# Allegro board FMDEMOD-Long.brd (continued)
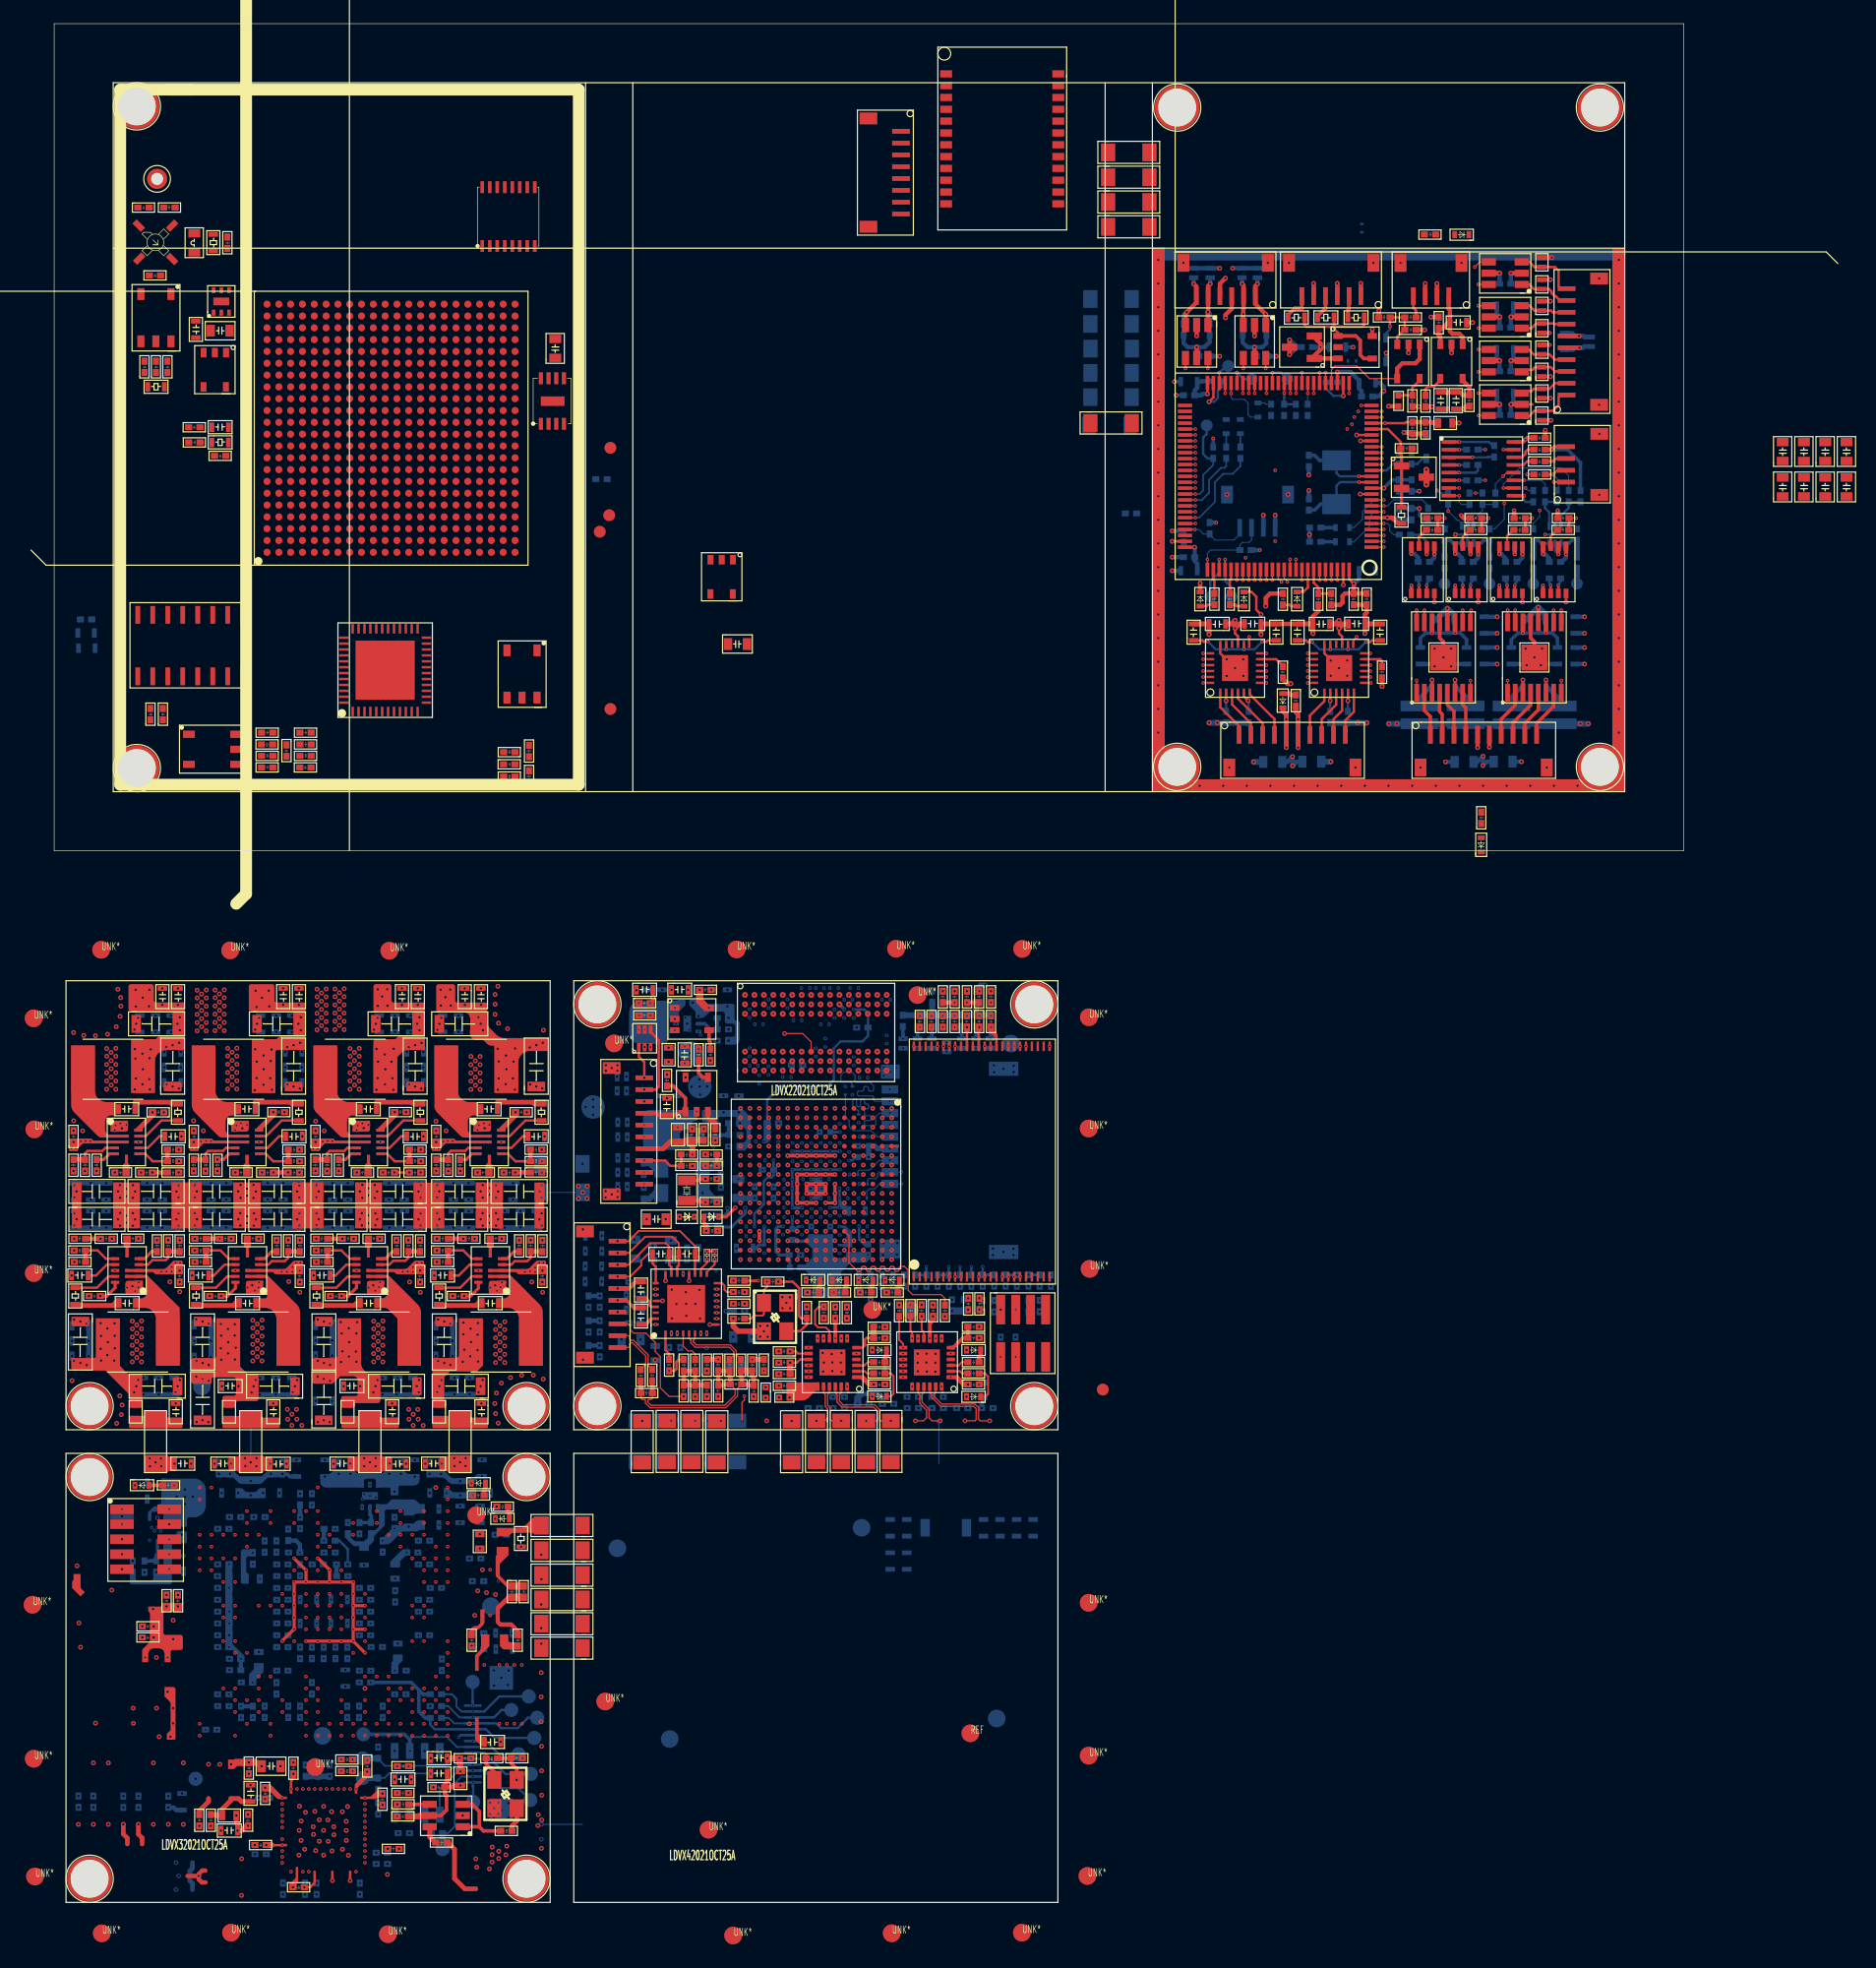
[diagram p0: board, top side]
## Routing (per net, layer and track width the routed paths; a pad name or vN(x,y) marks a point on that pad's centre or on a via; arc(x,y) is an arc through that point) (continued)
BOOT0: length 3.3
  TOP w0.2: U19.94 106.66,22.68 107.05,22.3 R343.2 R344.2
BOOT1: length 2.8
  TOP w0.1: U19.37 v1(104.17,38.73)
  BOTTOM w0.2: v1(104.17,38.73) 104.17,38.36 104.15,38.34 R134.1 R135.1
BOOT_MODE0: length 6.6
  SIGNAL-L7 w0.1: v21(54.91,-26.91) 55.45,-26.91 55.69,-27.15 56.74,-27.15 56.96,-27.36 57.28,-27.36 v18(58.92,-29)
  BOTTOM w0.5: R226.2 55.96,-26.44 55.49,-26.91 v21(54.91,-26.91)
BOOT_MODE1: length 7.8
  SIGNAL-L7 w0.1: v18(58.12,-29) 56.64,-27.52 55.62,-27.52 55.42,-27.32 54.78,-27.32 54.35,-27.75 54.35,-28.42 v21(54.91,-28.97)
  BOTTOM w0.5: R232.2 55.88,-29.45 55.4,-28.97 v21(54.91,-28.97)
CAS: length 17
  SIGNAL-L8 w0.1: v15(65.7,-17) 65.7,-16.54 66.19,-16.05 69.37,-16.05 70.05,-16.72 70.05,-19.91 68.78,-21.18 68.78,-23.07 68.29,-23.56 67.37,-23.56 67.09,-23.28 65.2,-23.28 v15(64.52,-22.6)
CK0N: length 30
  SIGNAL-L7 w0.1: v18(65.7,-13.8) 65.42,-14.08 65.42,-14.44 65.62,-14.64 v19(65.62,-14.69) 65.37,-14.94 65.37,-16.02 64.98,-16.41 64.98,-17.13 65.21,-17.36 65.21,-17.74 64.76,-18.19 64.19,-18.19 63.74,-17.74 63.74,-17.06 64.18,-16.61 64.18,-14.88 64.02,-14.72 63.88,-14.72 63.78,-14.82 63.78,-16.37 63.59,-16.56 63.12,-16.56 62.91,-16.36 62.91,-14.9 62.81,-14.8 62.6,-14.8 62.55,-14.85 62.55,-16.12 62.32,-16.34 61.81,-16.34 61.17,-15.69 61.17,-15.04 60.95,-14.82 60.81,-14.82 60.33,-15.3 60.33,-16.1 60.54,-16.31 61.11,-16.31 61.96,-17.15 61.96,-18.99 61.63,-19.31 61.43,-19.31 61.22,-19.52 60.84,-19.52 60.69,-19.67 60.69,-20.04 60.37,-20.36 59.93,-20.36 59.83,-20.46 59.83,-20.66 59.93,-20.76 60.68,-20.76 60.9,-20.98 60.9,-21.9 60.77,-22.03 60.76,-22.03 60.52,-22.27 v18(60.52,-22.6)
CK0P: length 29
  SIGNAL-L7 w0.1: v18(60.52,-21.8) 60.52,-21.64 60.69,-21.47 60.69,-21.07 60.59,-20.97 59.85,-20.97 59.62,-20.75 59.62,-20.37 59.85,-20.15 60.28,-20.15 60.48,-19.95 60.48,-19.58 60.75,-19.31 61.13,-19.31 61.27,-19.17 61.34,-19.1 61.51,-19.1 61.75,-18.86 61.75,-17.24 61.03,-16.52 60.45,-16.52 60.12,-16.18 60.12,-15.22 60.72,-14.61 61.04,-14.61 61.38,-14.95 61.38,-15.61 61.9,-16.13 62.24,-16.13 62.34,-16.03 62.34,-14.77 62.51,-14.59 62.89,-14.59 63.12,-14.82 63.12,-16.22 63.22,-16.33 63.48,-16.33 63.57,-16.24 63.57,-14.73 63.79,-14.51 64.11,-14.51 64.39,-14.79 64.39,-16.7 63.95,-17.14 63.95,-17.65 64.27,-17.98 64.67,-17.98 65,-17.65 65,-17.44 64.77,-17.21 64.77,-16.33 65.16,-15.94 65.16,-15.25 64.92,-15.01 v19(64.92,-14.69) 65.18,-14.43 65.18,-14.08 v18(64.9,-13.8)
CKE0: length 15.3
  SIGNAL-L8 w0.1: v15(62.12,-23.4) 61.09,-23.4 60.64,-22.96 60.64,-20.29 61.93,-19 61.93,-17.17 63.84,-15.26 63.84,-13.99 64.24,-13.59 64.65,-13.59 65.7,-12.54 v15(65.7,-12.2) 65.7,-11.63 v9(65.7,-11.63)
CKE1: length 19.4
  SIGNAL-L8 w0.1: v15(64.52,-23.4) 64.25,-23.67 63.55,-23.67 63.15,-24.07 60.85,-24.07 60.11,-23.33 60.11,-19.84 61.41,-18.55 61.41,-16.75 62.77,-15.39 62.77,-13.73 63.45,-13.05 64.45,-13.05 64.9,-12.59 v15(64.9,-12.2) 65.19,-11.91 v9(65.19,-11.63)
CLK2FPGA: length 15.1
  SIGNAL-L8 w0.1: v15(18.32,-74.89) 18.01,-75.2 18.01,-76.19 19.42,-77.6 27.24,-77.6 29.06,-79.42 v13(29.06,-80.7)
CLK_3V3: length 16.5
  TOP w0.3: R166.2 C193.2 38.7,-77.23 39.17,-77.7 v5(39.17,-78.63) ; C206.2 33.07,-79.78 33.22,-79.93 33.22,-81.19 32.76,-81.65 U32.5
  TOP w0.36: C204.2 33.3,-78.11 33.3,-78.8 33.07,-79.03 C206.2 33.64,-79.25 33.79,-79.1 v5(34.4,-79.1)
  TOP w0.5: C210.2 30.96,-81.72 31.02,-81.65 U32.5
  PWR-L6 w0.38: v5(39.17,-78.63) 38.3,-79.5 34.8,-79.5 v5(34.4,-79.1)
CLK_AD+: length 8.3
  SIGNAL-L4 w0.1: v17(25.27,-76.91) 25.27,-77 25.52,-77.25 26.91,-77.25 27.2,-77.54 27.75,-77.54 28.03,-77.26 28.03,-76.62 27.74,-76.33 26.92,-76.33 26.48,-75.89 26.48,-74.65 26.85,-74.28 27.22,-74.28 27.32,-74.18 v17(27.32,-73.89)
CLK_AD-: length 8.3
  SIGNAL-L4 w0.1: v17(25.27,-77.89) 25.27,-77.77 25.57,-77.46 26.82,-77.46 27.11,-77.75 27.84,-77.75 28.24,-77.35 28.24,-76.53 27.83,-76.12 27.01,-76.12 26.69,-75.8 26.69,-74.74 26.93,-74.49 27.22,-74.49 27.32,-74.59 v17(27.32,-74.89)
CLKO+: length 7.9
  SIGNAL-L4 w0.1: v17(24.31,-76.91) 24.31,-76.97 23.99,-77.29 21.02,-77.29 20.79,-77.52 20.79,-78.25 21.01,-78.48 23.06,-78.48 23.21,-78.62 23.21,-78.97 23.06,-79.11 v17(23.06,-79.4)
CLKO-: length 7.6
  SIGNAL-L4 w0.1: v17(23.56,-79.4) 23.56,-79.11 23.41,-78.97 23.41,-78.53 23.15,-78.27 21.1,-78.27 21,-78.17 21,-77.61 21.11,-77.5 23.99,-77.5 24.31,-77.82 v17(24.31,-77.89)
CONF_DONE: length 40
  SIGNAL-L8 w0.1: v9(35.45,-78.34) 36.09,-78.34 37.69,-76.75 37.69,-70.57 35.12,-68.01 31.09,-68.01 30,-66.91 30,-61.41 28.35,-59.75 26.76,-59.75 24.9,-57.89 v15(23.32,-57.89)
  BOTTOM w0.15: v9(35.45,-78.34) 34.49,-78.34 33.92,-78.92 33.92,-82.58 33.37,-83.14 R375.1
  BOTTOM w0.5: TP26.1 R375.1
CPU_RST_FPGA: length 14.9
  TOP w0.1: 58.25,-48.24 58.25,-46.68 58.44,-46.49 v15(58.44,-46.16)
  SIGNAL-L8 w0.1: v15(58.44,-46.16) 58.44,-44.83 59.09,-44.19 59.09,-39.33 61.32,-37.1 v15(61.32,-34.6)
CPU_RST_MCU: length 33.8
  SIGNAL-L4 w0.1: v16(68.83,-48.27) 68.09,-47.53 68.09,-46.31 67.1,-45.31 64.2,-45.31 62.27,-43.39 62.27,-42.41 61.61,-41.74 59.33,-41.74 58.77,-41.18 56.67,-41.18 56.01,-40.53 56.01,-40.02 55.38,-39.38 55.38,-36.69 56.05,-36.02 v20(56.05,-35.57)
  SIGNAL-L8 w0.1: v15(62.12,-33) 61.6,-32.48 59.94,-32.48 59.68,-32.22 56.38,-32.22 54.93,-33.66 54.93,-35.33 55.17,-35.57 v20(56.05,-35.57)
CPU_UART1_RXD: length 37.5
  SIGNAL-L8 w0.1: v15(49.51,-15.13) 49.51,-20.3 49.08,-20.72 49.08,-21.58 49.33,-21.83 49.33,-33.28 49.88,-33.84 49.88,-35.11 50.31,-35.54 51.9,-35.54 53.23,-36.87 54.09,-36.87 54.34,-36.62 55.76,-36.62 56.3,-37.16 58.45,-37.16 59.02,-36.59 59.02,-35.27 60.26,-34.03 63.49,-34.03 v15(63.72,-33.8)
CPU_UART1_TXD: length 27.8
  SIGNAL-L8 w0.1: v15(63.72,-32.2) 64.34,-32.2 64.52,-32.02 64.52,-30.61 63.24,-29.33 62.06,-29.33 61.09,-28.37 58.14,-28.37 57.47,-27.69 57.47,-25.92 57.87,-25.52 57.87,-24.19 57.34,-23.65 57.34,-21 56.95,-20.6 56.95,-18.06 56.14,-17.26 52.03,-17.26 51.38,-16.61 v15(50.51,-16.61)
CPU_UART3_RXD: length 23
  SIGNAL-L8 w0.1: v15(65.32,-33.8) 67.09,-35.57 67.09,-38.3 65.39,-40 64.33,-40 62.72,-41.61 62.72,-46.64 61.64,-47.72 56.98,-47.72 v13(56.45,-48.26)
CPU_UART3_TXD: length 22.3
  SIGNAL-L8 w0.1: v15(65.32,-34.6) 66.53,-35.81 66.53,-37.94 65.08,-39.39 64.05,-39.39 62.36,-41.08 62.36,-46.24 61.16,-47.44 56.21,-47.44 v8(55.39,-48.27)
CPU_UART4_RXD: length 26.6
  SIGNAL-L7 w0.1: v18(66.12,-33.8) 66.12,-33.09 65.72,-32.69 65.25,-32.69 64.91,-32.35 64.91,-31.87 64.53,-31.49 64.53,-30.8 64.31,-30.59 63.69,-30.59 61.6,-32.68 61.6,-34.18 61.87,-34.45 61.87,-35.12 62.5,-35.75 62.5,-45.78 61.06,-47.23 59.28,-47.23 v21(58.26,-48.26)
CPU_UART4_TXD: length 35.9
  SIGNAL-L7 w0.1: v21(49.8,-48.26) 49.8,-47.88 54.7,-42.98 57.18,-42.98 58.17,-41.99 58.17,-33.93 58.66,-33.43 59.3,-33.43 59.73,-33 59.73,-31.3 61.73,-29.3 63.52,-29.3 63.8,-29.02 65.28,-29.02 66.13,-29.86 66.13,-30.38 66.85,-31.1 66.85,-33.87 v18(66.12,-34.6)
CS0: length 26.6
  SIGNAL-L8 w0.1: v15(61.32,-22.6) 61.32,-20.98 62.94,-19.36 62.94,-17.09 64.38,-15.64 64.38,-14.44 64.79,-14.03 70.64,-14.03 70.88,-14.27 70.88,-15.31 70.66,-15.53 65.4,-15.53 64.67,-16.27 64.67,-16.8 65.3,-17.43 66.13,-17.43 v15(66.5,-17.8)
CS1: length 26.1
  SIGNAL-L7 w0.1: v18(65.32,-25) 66.54,-25 66.64,-24.9 66.64,-24.68 66.54,-24.58 65.75,-24.58 65.65,-24.48 65.65,-24.09 65.96,-23.78 65.96,-23.51 65.86,-23.41 65.64,-23.41 65.54,-23.31 65.54,-23.16 65.72,-22.99 66.15,-22.99 66.26,-23.1 66.26,-23.14 66.49,-23.37 66.62,-23.37 66.71,-23.28 66.71,-22.88 66.48,-22.65 65.57,-22.65 65.36,-22.86 65.04,-22.86 64.94,-22.76 64.94,-22.62 65.4,-22.16 65.4,-22.06 65.3,-21.96 64.99,-21.96 64.89,-21.86 64.89,-21.76 65.04,-21.61 65.27,-21.61 65.37,-21.51 65.37,-21.37 65.27,-21.27 64.03,-21.27 63.93,-21.17 63.93,-21.03 64.03,-20.93 64.17,-20.93 64.22,-20.98 65.43,-20.98 65.57,-20.83 65.57,-20.52 65.06,-20.01 65.06,-19.78 65.24,-19.61 65.38,-19.61 65.62,-19.85 65.62,-20.1 66.16,-20.63 66.37,-20.63 66.5,-20.5 66.5,-20.36 65.94,-19.79 65.94,-19.58 66.01,-19.51 66.15,-19.51 66.45,-19.8 66.68,-19.8 66.87,-19.61 67.03,-19.61 67.13,-19.51 67.13,-19.5 67.21,-19.42 67.21,-19.28 67.13,-19.21 66.83,-19.21 66.68,-19.36 66.5,-19.36 66.24,-19.1 65.78,-19.1 65.71,-19.03 65.71,-18.89 65.82,-18.79 65.95,-18.79 66.05,-18.69 66.05,-18.45 65.82,-18.22 65.82,-17.97 65.92,-17.87 66.07,-17.87 66.17,-17.97 66.17,-18.09 66.32,-18.23 66.68,-18.23 67.16,-18.71 67.16,-18.85 67.09,-18.92 66.82,-18.92 v18(66.5,-18.6)
D0: length 25.4
  SIGNAL-L3 w0.1: v10(61.7,-17) 61.7,-17.76 61.6,-17.86 61.41,-17.86 61.31,-17.76 61.31,-16.86 60.92,-16.47 60.92,-16.33 61.08,-16.17 61.08,-16.03 60.94,-15.89 60.8,-15.89 60.63,-16.05 60.49,-16.05 60.35,-15.91 60.35,-15.77 60.51,-15.6 60.51,-15.46 60.35,-15.3 60.03,-15.3 59.93,-15.2 59.93,-14.42 59.83,-14.32 59.63,-14.32 59.53,-14.42 59.53,-15.2 59.43,-15.3 59.23,-15.3 59.13,-15.2 59.13,-14.42 59.03,-14.32 58.83,-14.32 58.73,-14.42 58.73,-15.2 58.63,-15.3 57.98,-15.3 56.69,-16.59 56.69,-18.46 56.61,-18.54 56.45,-18.54 56.36,-18.63 56.36,-18.86 56.45,-18.94 56.61,-18.94 56.69,-19.03 56.69,-19.26 56.61,-19.34 56.45,-19.34 56.36,-19.43 56.36,-19.66 56.45,-19.74 56.61,-19.74 56.69,-19.83 56.69,-20.06 56.61,-20.14 56.45,-20.14 56.36,-20.23 56.36,-20.46 56.45,-20.54 56.61,-20.54 56.69,-20.63 56.69,-20.86 56.61,-20.94 56.45,-20.94 56.36,-21.03 56.36,-21.26 56.45,-21.34 56.61,-21.34 56.69,-21.43 56.69,-21.66 56.61,-21.74 56.45,-21.74 56.36,-21.83 56.36,-22.06 56.45,-22.14 56.61,-22.14 56.69,-22.23 56.69,-22.46 56.53,-22.63 56.53,-23.65 56.69,-23.81 56.83,-23.81 56.95,-23.69 57.09,-23.69 57.23,-23.83 57.23,-23.97 57.11,-24.09 57.11,-24.23 57.48,-24.6 58.52,-24.6 v10(58.92,-24.2)
D1: length 22.9
  SIGNAL-L7 w0.1: v18(62.5,-13.8) 62.75,-13.8 62.94,-13.61 62.94,-13.47 62.84,-13.36 62.08,-13.36 61.97,-13.48 61.97,-13.64 61.87,-13.74 61.7,-13.74 61.6,-13.64 61.6,-12.72 61.12,-12.23 57.15,-12.23 56.37,-13.02 56.37,-21.63 56.24,-21.76 56.24,-22.92 56.82,-23.49 56.82,-25 57.62,-25.8 v18(58.12,-25.8)
D2: length 25.2
  SIGNAL-L4 w0.1: v17(58.92,-25.8) 59.25,-25.8 59.71,-26.26 59.71,-26.78 59.91,-26.99 60.69,-26.99 60.96,-26.72 60.96,-21.45 60.49,-20.98 60.49,-20.73 60.59,-20.63 61.74,-20.63 61.84,-20.53 61.84,-20.33 61.74,-20.23 60.59,-20.23 60.49,-20.13 60.49,-19.68 60.59,-19.58 62.48,-19.58 62.61,-19.45 62.61,-19.13 62.51,-19.03 61.99,-19.03 61.89,-18.93 61.89,-18.11 61.79,-18.01 61.44,-18.01 61.34,-18.11 61.34,-18.93 61.24,-19.03 60.59,-19.03 60.49,-18.93 60.49,-16.26 60.64,-16.11 61.69,-16.11 61.85,-16.28 61.85,-17.16 v17(62.5,-17.8)
D3: length 23.2
  SIGNAL-L7 w0.1: v18(62.5,-13) 62.73,-12.77 62.73,-12.32 62.34,-11.93 56.94,-11.93 56.02,-12.84 56.02,-21.46 55.79,-21.69 55.79,-23.08 56.32,-23.61 56.32,-25.32 57.59,-26.6 v18(58.12,-26.6)
D4: length 23.2
  TOP w0.1: U2.H3 64.1,-16.18 63.39,-15.47 v13(61.85,-15.47)
  SIGNAL-L8 w0.1: v15(58.12,-27.4) 58.55,-26.97 58.55,-22.06 58.65,-21.96 59.51,-21.96 59.61,-21.86 59.61,-21.66 59.51,-21.56 58.65,-21.56 58.55,-21.46 58.55,-21.26 58.65,-21.16 59.51,-21.16 59.61,-21.06 59.61,-20.86 59.51,-20.76 58.65,-20.76 58.55,-20.66 58.55,-19.86 57.68,-19 57.68,-16.51 58.72,-15.47 v13(61.85,-15.47)
D5: length 24.3
  SIGNAL-L4 w0.1: v17(64.1,-13) 63.63,-12.53 62.7,-12.53 61.99,-11.82 58.2,-11.82 56.38,-13.64 56.38,-23.81 56.58,-24.01 56.58,-25.14 57.02,-25.58 57.02,-26.37 57.63,-26.99 58.51,-26.99 v17(58.92,-27.4)
D6: length 22.4
  SIGNAL-L4 w0.1: v17(63.3,-17.8) 63.81,-17.28 63.81,-15.83 62.71,-14.72 61.79,-14.72 61.3,-14.22 61.3,-13.52 61.12,-13.35 58.28,-13.35 57.18,-14.45 57.18,-22.91 57.54,-23.27 57.54,-24.37 57.77,-24.59 58.51,-24.59 v17(58.92,-25)
D7: length 22.7
  SIGNAL-L7 w0.1: v18(64.1,-13.8) 64.76,-13.14 64.76,-12.84 64.28,-12.36 63.8,-12.36 63.54,-12.61 63.54,-13.41 62.75,-14.21 61.29,-14.21 61.04,-13.96 61.04,-13.82 61.24,-13.62 61.24,-13.48 61.1,-13.33 60.95,-13.33 60.76,-13.53 60.61,-13.53 60.45,-13.37 59.65,-13.37 59.25,-12.98 58.61,-12.98 58.31,-13.28 58.31,-14.13 57.24,-15.2 57.24,-15.53 57.55,-15.83 57.55,-16.56 57.2,-16.9 57.2,-21.4 57.5,-21.7 57.5,-23.91 57.79,-24.2 v18(58.12,-24.2)
D8: length 16.4
  SIGNAL-L4 w0.1: v17(60.9,-13.8) 60.9,-15.32 60.78,-15.44 60.44,-15.44 60.32,-15.32 60.32,-14.43 60.23,-14.34 59.99,-14.34 59.89,-14.44 59.89,-14.71 59.79,-14.81 59.59,-14.81 59.49,-14.71 59.49,-14.41 59.39,-14.31 59.05,-14.31 58.95,-14.41 58.95,-15.11 58.85,-15.21 58.65,-15.21 58.55,-15.11 58.55,-14.41 58.45,-14.31 58.1,-14.31 57.55,-14.86 57.55,-22.03 v17(58.12,-22.6)
D9: length 15.9
  SIGNAL-L3 w0.1: v10(60.1,-17) 59.55,-16.45 58.29,-16.45 57.71,-17.03 57.71,-19.92 57.84,-20.05 58.08,-20.05 58.95,-19.18 59.09,-19.18 59.23,-19.32 59.23,-19.47 58.89,-19.8 58.89,-19.95 59.57,-20.63 59.57,-20.77 59.43,-20.91 59.29,-20.91 58.61,-20.23 58.47,-20.23 58.29,-20.4 58.29,-21.03 58.57,-21.31 59.04,-21.31 59.35,-21.62 59.35,-22.78 59.1,-23.03 58.74,-23.03 58.72,-23.01 58.51,-23.01 v10(58.12,-23.4)
D10: length 16.5
  SIGNAL-L7 w0.1: v18(60.1,-13) 59.67,-12.58 58.13,-12.58 57.78,-12.92 57.78,-13.45 57.61,-13.62 56.81,-13.62 56.69,-13.75 56.69,-16.63 56.81,-16.75 56.81,-21.55 57.16,-21.91 57.16,-24.55 57.61,-25 v18(58.12,-25)
D11: length 14.9
  SIGNAL-L3 w0.1: v10(59.72,-24.2) 59.36,-23.84 57.75,-23.84 57.1,-23.2 57.1,-16.85 58.15,-15.8 59.66,-15.8 60.51,-16.66 60.51,-17.39 v10(60.1,-17.8)
D12: length 16.4
  SIGNAL-L3 w0.1: v10(60.52,-25) 60.11,-25.41 57.78,-25.41 55.96,-23.6 55.96,-18.32 56.08,-18.21 56.08,-17.19 55.96,-17.08 55.96,-16.66 58.5,-14.13 v10(58.5,-13.8)
D13: length 16
  SIGNAL-L4 w0.1: v17(60.52,-23.4) 59.89,-24.03 59.89,-24.5 60.02,-24.64 60.48,-24.64 60.58,-24.74 60.58,-25.14 60.3,-25.42 59.64,-25.42 59.43,-25.2 59.43,-23.62 60.12,-22.92 60.12,-21.66 59.56,-21.09 59.56,-20.34 59.66,-20.24 60.02,-20.24 60.12,-20.14 60.12,-19.94 60.02,-19.84 59.66,-19.84 59.56,-19.74 59.56,-19.54 59.66,-19.44 60.02,-19.44 60.12,-19.34 60.12,-19.14 60.02,-19.04 59.66,-19.04 59.56,-18.94 59.56,-18.41 59.93,-18.04 59.93,-17.38 59.64,-17.08 59.22,-17.08 v17(58.5,-17.8)
D14: length 15.2
  SIGNAL-L3 w0.1: v10(59.3,-13) 59.67,-13.37 60.28,-13.37 60.53,-13.62 60.53,-14.83 62.07,-16.37 62.07,-19.35 61.97,-19.45 61.7,-19.45 61.3,-19.04 61.18,-19.04 61.03,-19.19 61.03,-19.34 61.42,-19.73 61.42,-19.88 61.28,-20.02 61.14,-20.02 60.58,-19.46 60.44,-19.46 60.3,-19.6 60.3,-19.74 60.86,-20.3 60.86,-20.44 60.15,-21.15 60.15,-22.17 v10(59.72,-22.6)
D15: length 15.9
  SIGNAL-L4 w0.1: v17(58.5,-17) 59.03,-16.47 59.03,-16.06 58.93,-15.96 58.26,-15.96 57.99,-16.22 57.99,-18.01 58.12,-18.14 58.96,-18.14 59.13,-18.32 59.13,-19.07 58.99,-19.21 58.08,-19.21 57.94,-19.36 57.94,-19.74 58.09,-19.9 59.02,-19.9 59.16,-20.04 59.16,-20.37 59.06,-20.47 58.59,-20.47 58.49,-20.57 58.49,-20.77 58.59,-20.87 59.06,-20.87 59.16,-20.97 59.16,-21.17 59.06,-21.27 58.59,-21.27 58.49,-21.37 58.49,-22.78 58.74,-23.03 59.18,-23.03 59.39,-22.82 59.39,-22.56 59.72,-22.23 v17(59.72,-21.8)
DATA0: length 38.4
  SIGNAL-L4 w0.1: v17(21.32,-74.89) 20.64,-74.21 20.64,-71.95 21.22,-71.37 33.15,-71.37 33.98,-72.21 33.98,-74.88 v20(35.45,-76.34) 35.77,-76.34 36.17,-76.74 36.17,-78.71 35.16,-79.72 33.46,-79.72 32.89,-79.15 29.63,-79.15 v17(29.05,-79.73)
  BOTTOM w0.2: TP21.1 38.2,-78.13 36.42,-76.34 v20(35.45,-76.34)
DCDC_3V3: length 69.3
  SIGNAL-L4 w0.26: v5(50.49,-13.93) 50.81,-14.25 50.81,-15.28 49.61,-16.47 49.61,-20.41 48.74,-21.28 48.74,-31.78 49.62,-32.65 54.05,-32.65 v3(55.28,-33.88) v3(55.93,-33.88)
  PWR-L6 w0.26: 55.64,-28.25 55.64,-26.19 v5(55.16,-25.7) ; 55.64,-28.25 55.88,-28.49 v6(56.46,-28.49) ; 55.64,-28.25 55.64,-28.28 53.79,-30.13 53.79,-31.33 54.05,-31.59 55.31,-31.59 55.74,-32.02 55.74,-33.42 v3(55.28,-33.88) ; v6(70.77,-25.2) 70.77,-24.69 70.69,-24.61 70.6,-24.61 68.35,-22.36 65.51,-22.36 65.11,-22.76 65.11,-23.51 v4(64.82,-23.8)
  PWR-L6 w0.3: v5(50.49,-13.93) 50.01,-14.41 v3(50.01,-15.13)
  PWR-L6 w0.38: 59.6,-45.23 59.76,-45.4 v5(60.25,-45.4)
  SIGNAL-L8 w0.26: v4(64.82,-23.8) 64.82,-25.44 65.62,-26.24 66.49,-26.24 67.15,-25.58 68,-25.58 68.33,-25.92 v8(68.97,-25.92)
  BOTTOM w0.45: v6(70.77,-25.2) 69.7,-25.2 69.48,-24.98 L24.1 v8(68.97,-25.92)
  BOTTOM w0.5: C248.1 R208.1 ; R208.1 R207.1 R206.1 ; R208.1 R209.1 R210.1 ; R206.1 R205.1 ; R206.1 v6(78.06,-12.82) ; R226.1 v6(56.46,-28.49)
  vias: v2(50.9,-43.11) v3(78.3,-36.05) v4(67.32,-34.2) v4(68.92,-34.2) v5(57.51,-38.33) v5(63.79,-37.38) v5(66.02,-37.38) v5(68.25,-37.38) v5(70.49,-37.38) v5(76.26,-11.89) v5(77.3,-11.89) v5(77.3,-14.93) v5(77.4,-37.88) v5(78.33,-14.93) v5(78.35,-37.87) v5(79.33,-14.93) v6(57.5,-41.14) v6(64.69,-36.8) v6(65.06,-36.26) v6(65.06,-37.37) v6(65.38,-36.81) v6(66.05,-36.81) v6(72.91,-36.86) v6(75.76,-36.86) v6(76.03,-38.95) v6(81.54,-39.02)
DCDC_3V3_PWR:
  vias: v5(17.02,-16.8) v5(16.99,-20.26) v5(17.06,-11.85) v5(17.14,-13.22) v5(17.15,-17.84) v5(17.14,-19.23) v5(17.6,-12.44) v5(17.72,-17.33) v5(17.73,-18.49) v5(17.72,-19.8) v5(18.17,-11.84) v5(18.21,-13.17) v5(18.35,-17.8) v5(18.3,-19.24) v5(18.39,-16.82) v5(18.44,-20.23) v5(19.39,-13.05) v5(19.72,-16.63) v5(20.27,-16.45) v5(20.72,-13.05) v5(20.68,-14.64) v5(20.82,-16.25) v5(20.78,-25.29) v5(20.88,-14.09) v5(20.88,-15.19) v5(21.01,-24.17) v6(17.48,-13.94) v6(18.8,-13.94) v6(19.57,-17.03) v6(19.57,-18.33) v6(19.57,-19.64) v6(20.12,-13.94)
DCDC_5V: length 5.7
  TOP w0.3: v5(50.48,-12.89) 50.7,-12.67 v5(50.7,-12.4) C1.2
  PWR-L6 w0.26: v5(53.47,-19.18) 53.47,-20.44 52.82,-21.09 v5(52.82,-23.42)
  vias: v5(51.89,-18.95) v5(52.03,-16.66) v5(52.55,-13.29) v5(52.55,-15.19) v5(53.4,-17.97) v5(54.58,-16.78) v6(45,-21.69) v6(45.63,-21.05) v6(45.64,-21.68) v6(45.63,-22.35) v6(46.28,-21.69) v6(49.13,-34.51) v6(50.68,-33.42)
DCDC_5V_PWR:
  vias: v5(6.83,-16.79) v5(6.83,-20.2) v5(6.9,-11.76) v5(6.91,-13.18) v5(6.88,-17.58) v5(6.92,-19.27) v5(7.49,-12.43) v5(7.47,-17.17) v5(7.52,-18.49) v5(7.47,-19.76) v5(8.02,-13.16) v5(8.04,-19.33) v5(8.06,-11.76) v5(8.08,-17.56) v5(8.11,-20.2) v5(8.16,-16.81) v5(9.16,-13.05) v5(9.48,-16.6) v5(10.03,-16.45) v5(10.44,-14.64) v5(10.48,-13.05) v5(10.55,-25.29) v5(10.64,-14.09) v5(10.64,-15.19) v5(10.58,-16.25) v5(10.78,-24.17) v6(7.25,-13.94) v6(8.58,-13.94) v6(9.33,-17.03) v6(9.33,-18.33) v6(9.33,-19.64) v6(9.9,-13.94)
DCLK: length 22.1
  SIGNAL-L4 w0.1: v20(30.11,-76.18) 29.84,-75.91 29.84,-74.09 29.15,-73.4 21.81,-73.4 v17(21.32,-73.89)
  BOTTOM w0.16: J9.8 34.1,-75.84 33.25,-74.99 30.33,-74.99 30.11,-75.22
  BOTTOM w0.3: v20(30.11,-76.18) 30.11,-75.22 29.65,-74.77 TP17.1
DQM0: length 24.5
  SIGNAL-L4 w0.1: v17(58.92,-26.6) 58.52,-26.19 57.78,-26.19 57.51,-25.93 57.51,-25.2 57.02,-24.7 57.02,-23.66 56.76,-23.4 56.76,-14.1 58.28,-12.58 61.24,-12.58 62.04,-13.39 63.55,-13.39 63.67,-13.51 63.67,-14.08 63.49,-14.26 62.16,-14.26 v17(61.7,-13.8)
DQM1: length 15
  SIGNAL-L7 w0.1: v18(58.92,-23.4) 58.49,-23.83 58.49,-24.08 58.59,-24.18 58.87,-24.18 58.97,-24.28 58.97,-24.48 58.87,-24.58 58.59,-24.58 58.49,-24.68 58.49,-24.88 58.59,-24.98 58.87,-24.98 58.97,-25.08 58.97,-25.28 58.87,-25.38 58.59,-25.38 58.49,-25.48 58.49,-25.97 58.73,-26.2 59.12,-26.2 59.43,-25.89 59.43,-21.71 59.29,-21.56 59.29,-20.03 60.37,-18.96 60.37,-17.53 v18(60.9,-17)
DRAM_1V35: length 55.8
  TOP w0.3: v3(66.12,-25.8) v3(65.32,-25.8) v3(64.52,-25.8) v3(63.72,-25.8) v3(62.92,-25.8) v3(62.12,-25.8)
  PWR-L6 w0.2: v4(65.3,-16.6) 65.3,-17.4 v3(65.7,-17.8) ; v4(70.1,-12.6) 70.1,-14.53 69.41,-15.23 67.71,-15.23 ; 62.6,-16.07 63.3,-15.36 v4(63.3,-14.34)
  PWR-L6 w0.22: v4(60.5,-12.6) 61.06,-12.6 61.3,-12.84 61.3,-15.77 61.6,-16.07 ; v4(67.7,-18.15) 67.66,-18.19 67.12,-18.19 66.9,-17.96 66.9,-15.78 66.34,-15.23 ; 66.06,-13.41 65.51,-13.41 65.29,-13.64 65.29,-13.96 65.06,-14.19 64.74,-14.19 64.51,-13.96 64.51,-13.64 64.29,-13.41 63.75,-13.41 63.72,-13.38 ; v3(64.1,-12.2) 63.72,-12.58 63.72,-12.62 63.86,-12.77 63.86,-13.23 63.72,-13.38 63.72,-13.38 ; 63.72,-13.38 v3(63.3,-13.8) ; v3(69.7,-12.2) 69.13,-11.63 v4(68.1,-11.63) ; 63.48,-16.07 63.76,-16.35 63.76,-16.97 63.92,-17.13 64.22,-17.13 v4(64.5,-17.41) ; 67.71,-15.23 68.51,-16.02 68.51,-18.2 68.34,-18.37 68.34,-18.83 68.67,-19.16 68.86,-19.16 v4(68.89,-19.19) ; v4(62.1,-12.6) 61.53,-12.6 61.41,-12.72 61.46,-12.77 61.46,-12.84
  PWR-L6 w0.25: v4(65.3,-16.6) 64.77,-16.07 64.17,-16.07
  PWR-L6 w0.26: v4(63.32,-25.43) 63.29,-25.43 v3(62.92,-25.8) ; C305.1 64.55,-25.8 v3(64.52,-25.8) ; v4(64.12,-25.43) 64.09,-25.43 v3(63.72,-25.8) ; v4(66.52,-25.43) 66.15,-25.8 v3(66.12,-25.8) ; v3(65.32,-25.8) 65.36,-25.8 v4(65.72,-25.43) ; v4(62.52,-25.43) 62.49,-25.43 v3(62.12,-25.8)
  PWR-L6 w0.3: v4(64.5,-17.41) 64.11,-17.8 v3(64.1,-17.8) ; v3(63.3,-13.8) 63.3,-13.81 v4(63.3,-14.34) ; v4(62.4,-19.15) 62.4,-18.91 62.5,-18.81 v3(62.5,-18.6) ; v4(58.9,-18.2) 58.9,-18.2 v3(58.5,-18.6) ; v4(63.98,-11.63) 63.98,-11.85 64.1,-11.97 v3(64.1,-12.2) ; v3(59.3,-17.8) 59.3,-17.8 v4(58.9,-17.4) ; v3(69.7,-18.6) 69.11,-19.19 v4(68.89,-19.19) ; v3(58.5,-13) 58.06,-13.44 58.06,-13.44 ; v4(68.1,-11.63) 68.1,-11.63 v3(68.1,-12.2) ; v4(67.7,-18.15) 67.7,-18.2 v3(68.1,-18.6) ; v3(60.9,-12.2) 60.9,-12.2 v4(60.5,-12.6) ; v4(62.1,-12.6) v3(61.7,-12.2) ; 61.6,-16.07 64.17,-16.07 65.01,-15.23 67.71,-15.23 ; v4(70.1,-12.6) v3(69.7,-12.2) ; v4(66.08,-13.44) 65.7,-13.05 v3(65.7,-13) ; v4(59.7,-19) v3(60.1,-18.6)
  SIGNAL-L8 w0.3: v15(60.9,-17.8) 60.5,-18.2 v9(60.5,-18.25)
  vias: v3(60.1,-12.2) v4(58.9,-13.41) v4(64.48,-20.62) v4(65.1,-20.63) v6(54.09,-12.85) v6(54.56,-13.99) v6(57,-13.17) v6(57.1,-14.16) v6(57.11,-16.08)
DRAM_1V35_PWR:
  vias: v5(32.72,-11.76) v5(32.75,-13.1) v5(33.13,-12.39) v5(33.54,-11.75) v5(33.59,-13.1) v5(34.78,-13.05) v5(35.92,-14.09) v5(36.12,-14.64) v5(36.15,-13.05) v5(36.32,-15.19) v5(37.56,-16.76) v5(37.64,-17.83) v5(37.64,-19.27) v5(37.57,-20.22) v5(38.24,-19.75) v5(38.26,-17.33) v5(38.29,-18.49) v5(38.85,-19.26) v5(38.9,-17.85) v5(39.03,-16.73) v5(39.01,-20.22) v5(40.27,-16.65) v5(40.83,-16.45) v5(41.29,-25.29) v5(41.38,-16.25) v5(41.52,-24.17) v6(32.9,-13.94) v6(34.23,-13.94) v6(35.57,-13.94)
DRAM_VREF: length 20.2
  PWR-L6 w0.22: v3(64.1,-18.6) 64.1,-19.11 63.87,-19.33 v4(63.87,-19.93)
  PWR-L6 w0.3: v3(67.3,-13) 67.3,-13.03 v4(67.7,-13.44) ; v3(60.52,-24.2) 60.13,-24.59 v4(60.12,-24.59)
  BOTTOM w0.2: C257.1 68.61,-13.44 68.92,-13.74 68.92,-15.67 68.45,-16.14 66.59,-16.14 66.02,-16.71 66.02,-19.41 65.5,-19.93 C293.2 65.09,-19.92 R215.1 63.88,-19.92 v4(63.87,-19.93) 63.86,-19.92 C294.1 61.55,-19.92 60.38,-21.08 60.38,-23.06
ECSPI3_CS0: length 21.9
  SIGNAL-L8 w0.1: v8(53.3,-48.25) 54.44,-47.11 60.62,-47.11 61.93,-45.81 61.93,-38.79 64.52,-36.2 v15(64.52,-34.6)
ECSPI3_MISO: length 31.3
  SIGNAL-L7 w0.1: v22(54.27,-48.24) 55.7,-46.8 60.84,-46.8 62.02,-45.61 62.02,-36 60.73,-34.71 60.73,-32.04 61.38,-31.39 61.38,-30.28 61.98,-29.68 63.56,-29.68 63.91,-30.03 64.82,-30.03 65.46,-30.68 65.46,-31.16 65.32,-31.3 v18(65.32,-32.2)
ECSPI3_MOSI: length 31.5
  SIGNAL-L8 w0.1: v15(64.52,-33) 67.28,-33 67.82,-33.54 67.82,-34.75 67.55,-35.02 67.55,-38.68 65.56,-40.67 64.31,-40.67 63.25,-41.73 63.25,-46.88 61.89,-48.23 59.37,-48.23 58.87,-48.73 52.74,-48.73 v13(52.24,-48.23)
ECSPI3_SCLK: length 24.4
  SIGNAL-L8 w0.1: v15(64.52,-33.8) 64.05,-34.27 64.05,-35.53 61.2,-38.37 61.2,-43.26 60.63,-43.83 60.63,-45.96 59.88,-46.71 52.32,-46.71 51.21,-47.83 v8(51.21,-48.24)
ENC1_A: length 4.1
  TOP w0.2: U52.3 124.45,38.9 125.1,38.9 125.3,39.1 D50.2 126.63,39.1 127.1,39.57 J14.2
ENC1_A_BUF: length 11.3
  TOP w0.1: U19.24 v1(112.44,37.19) ; v1(120.61,38.73) U52.4
  SIGNAL-L7 w0.1: v1(120.61,38.73) 120.28,38.73 119.9,38.35 119.9,37.3 119.6,37 115.34,37 115.15,37.19 v1(112.44,37.19)
ENC1_B: length 5.1
  TOP w0.2: J14.1 127.6,38.57 127.4,38.37 127.4,37.7 126.93,37.23 D49.2 125.36,37.23 124.76,36.63 124.48,36.63 U52.1
ENC1_B_BUF: length 10
  TOP w0.1: U19.23 v1(112.44,36.69) ; v1(120.61,36.83) U52.6
  SIGNAL-L7 w0.1: v1(112.44,36.69) 119.79,36.69 119.93,36.83 v1(120.61,36.83)
ENC2_A: length 4.1
  TOP w0.2: J14.4 127.07,41.57 126.63,42.01 D53.2 125.29,42.01 124.87,42.43 U53.3
ENC2_A_BUF: length 31.8
  TOP w0.1: U53.4 v1(120.61,42.43) ; U19.90 v1(104.66,24.66)
  SIGNAL-L3 w0.1: v1(110.43,37.18) 107.44,37.18 104.3,34.04 104.3,30.53 104.09,30.32 104.09,29.98 104.3,29.77 104.3,29.5 104.66,29.14 v1(104.66,24.66)
  SIGNAL-L7 w0.1: v1(120.61,42.43) 120.2,42.02 120.2,41.02 117.58,38.4 112.19,38.4 110.97,37.18 v1(110.43,37.18)
ENC2_B: length 4.1
  TOP w0.2: U53.1 124.45,40.7 125.18,40.7 125.41,40.93 D52.2 126.74,40.93 127.1,40.57 J14.3
ENC2_B_BUF: length 29.7
  TOP w0.1: U53.6 v1(120.6,40.53) ; U19.91 v1(105.16,24.66)
  SIGNAL-L3 w0.1: v1(110.1,36.7) 107.81,36.7 104.7,33.59 104.7,30.51 104.89,30.32 104.89,29.71 105.16,29.44 v1(105.16,24.66)
  SIGNAL-L7 w0.1: v1(110.1,36.7) 111.13,36.7 112.46,38.03 118.1,38.03 v1(120.6,40.53)
